# Altium PCB EEGV4.0.PcbDoc (part 1 of 2)
Units mm, origin at the board's own origin, x right, y up, seen from the top; angles counter-clockwise.
Board outline 93.3 x 85.3 mm, 2 copper layers (Top Layer, Bottom Layer); 194 components, 148 nets, 781 pads, 660 vias.
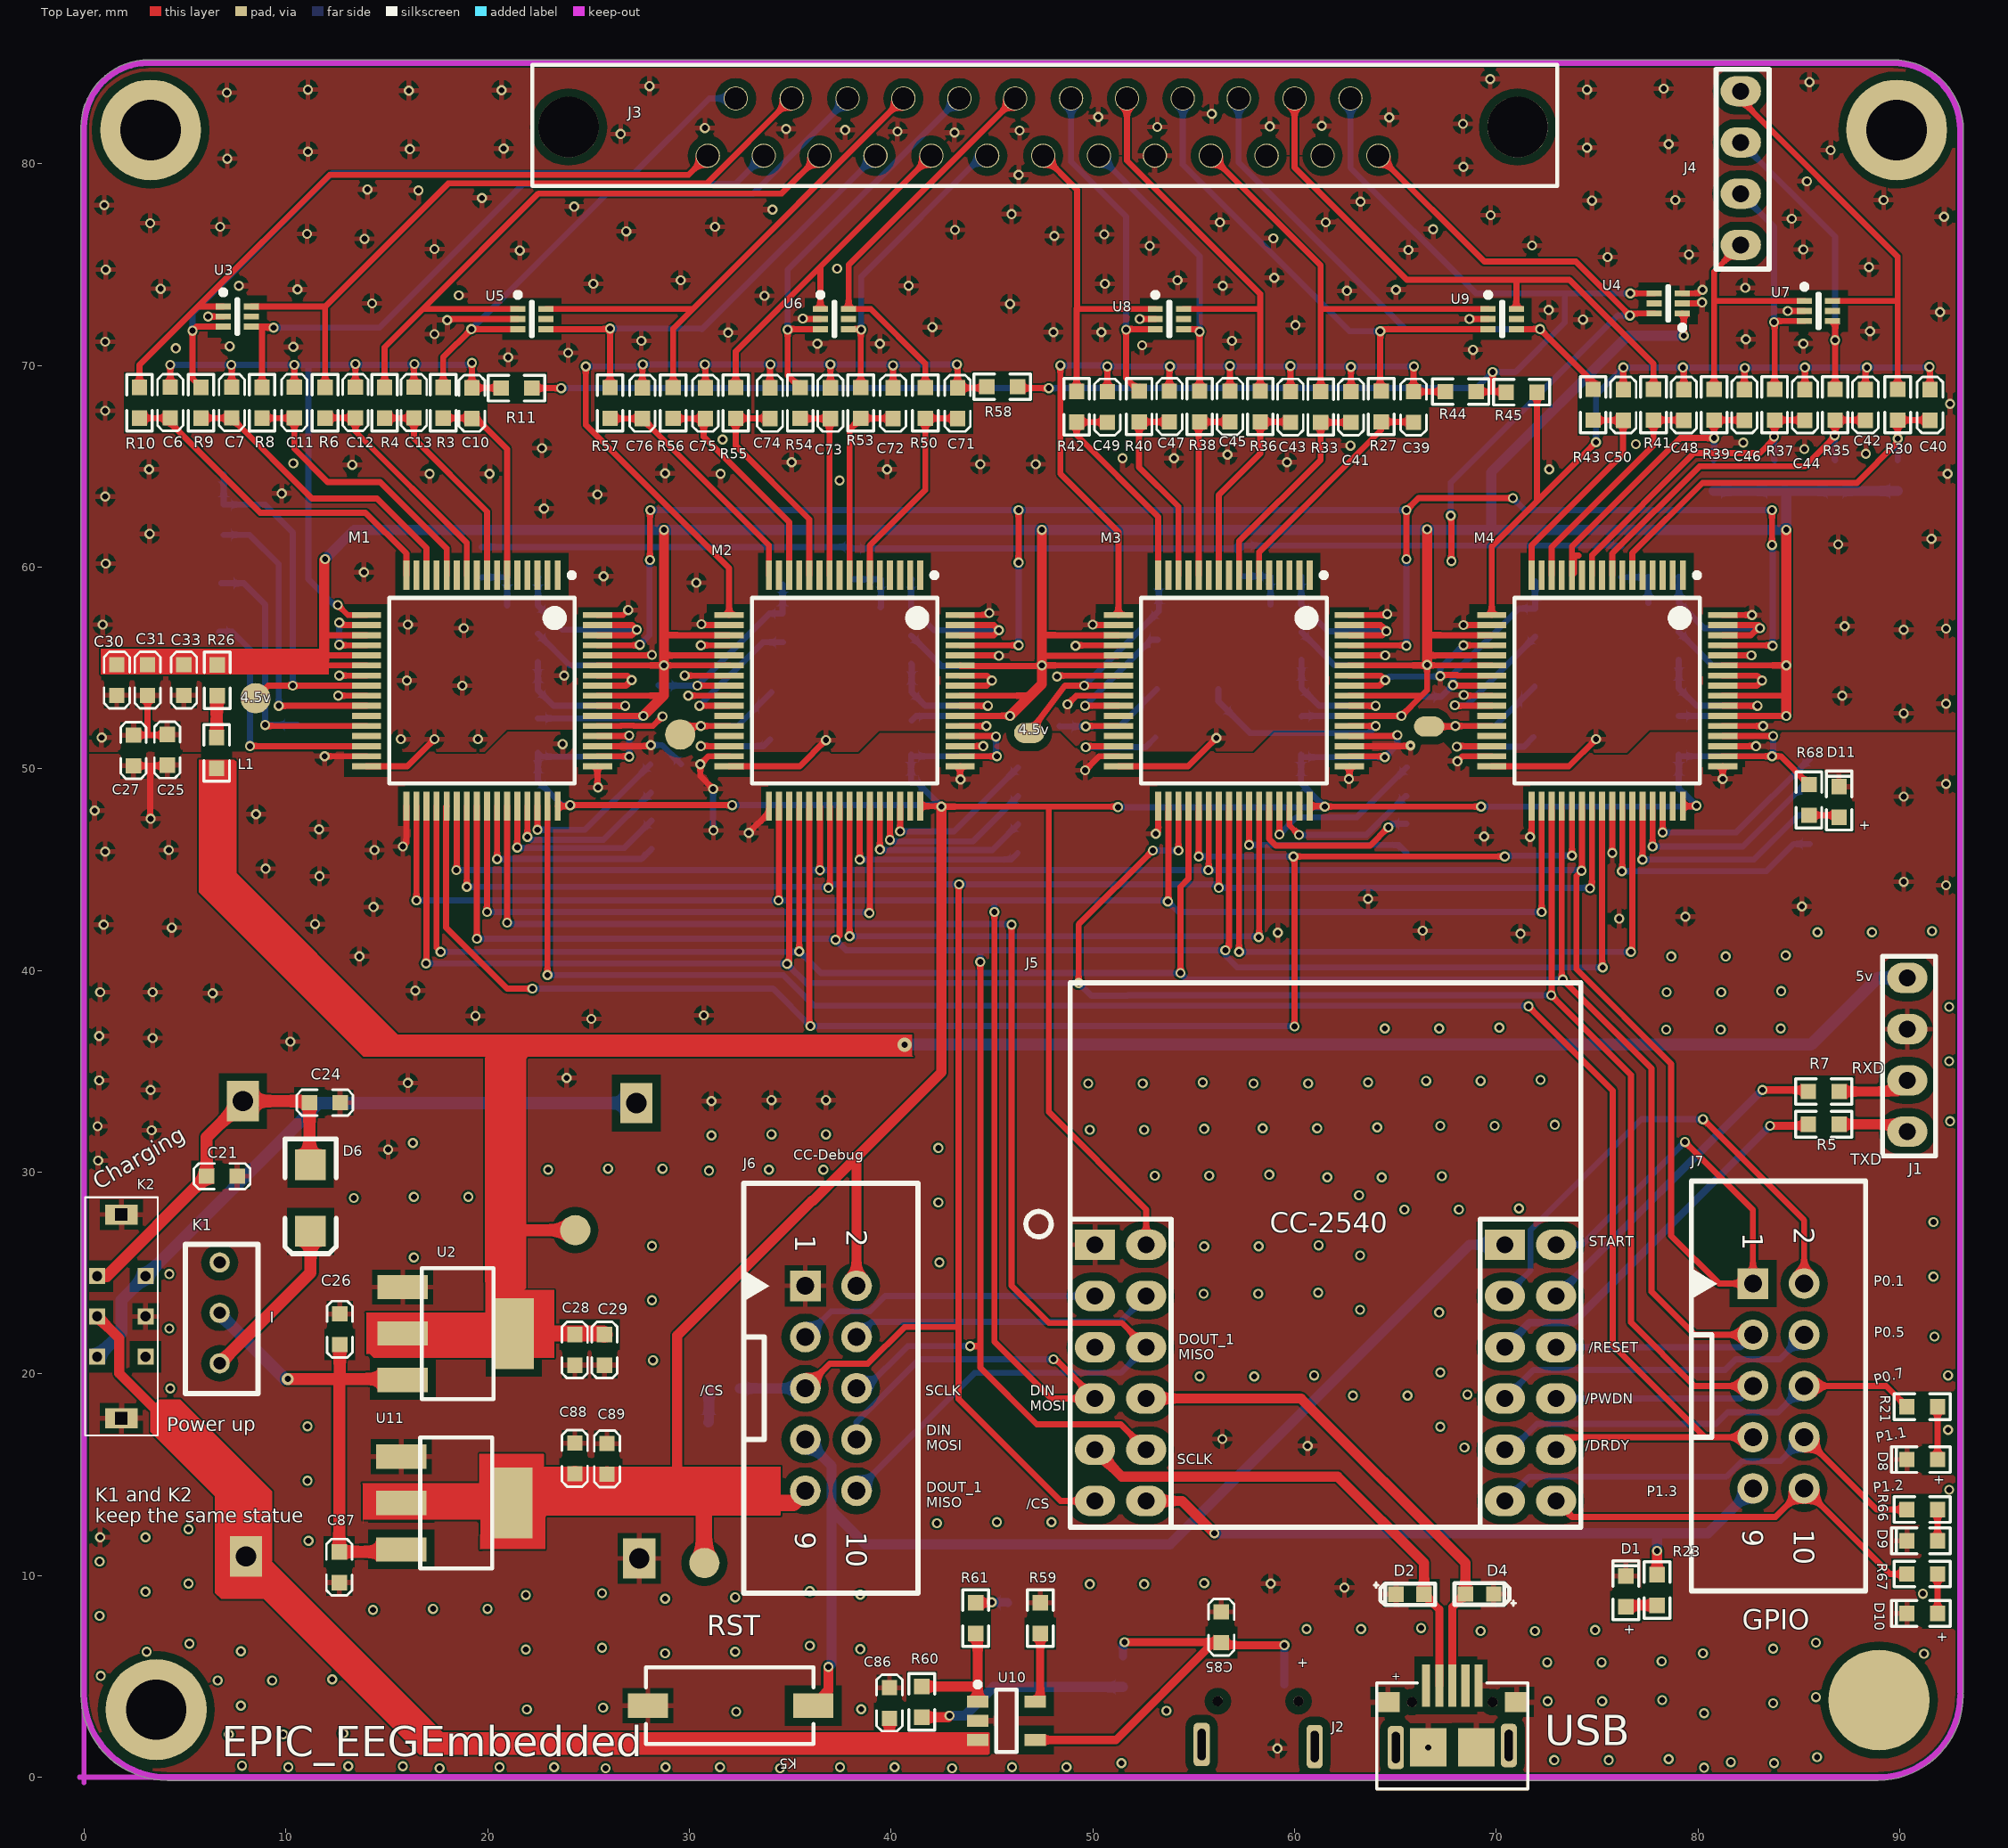
[diagram p0: Top Layer view]
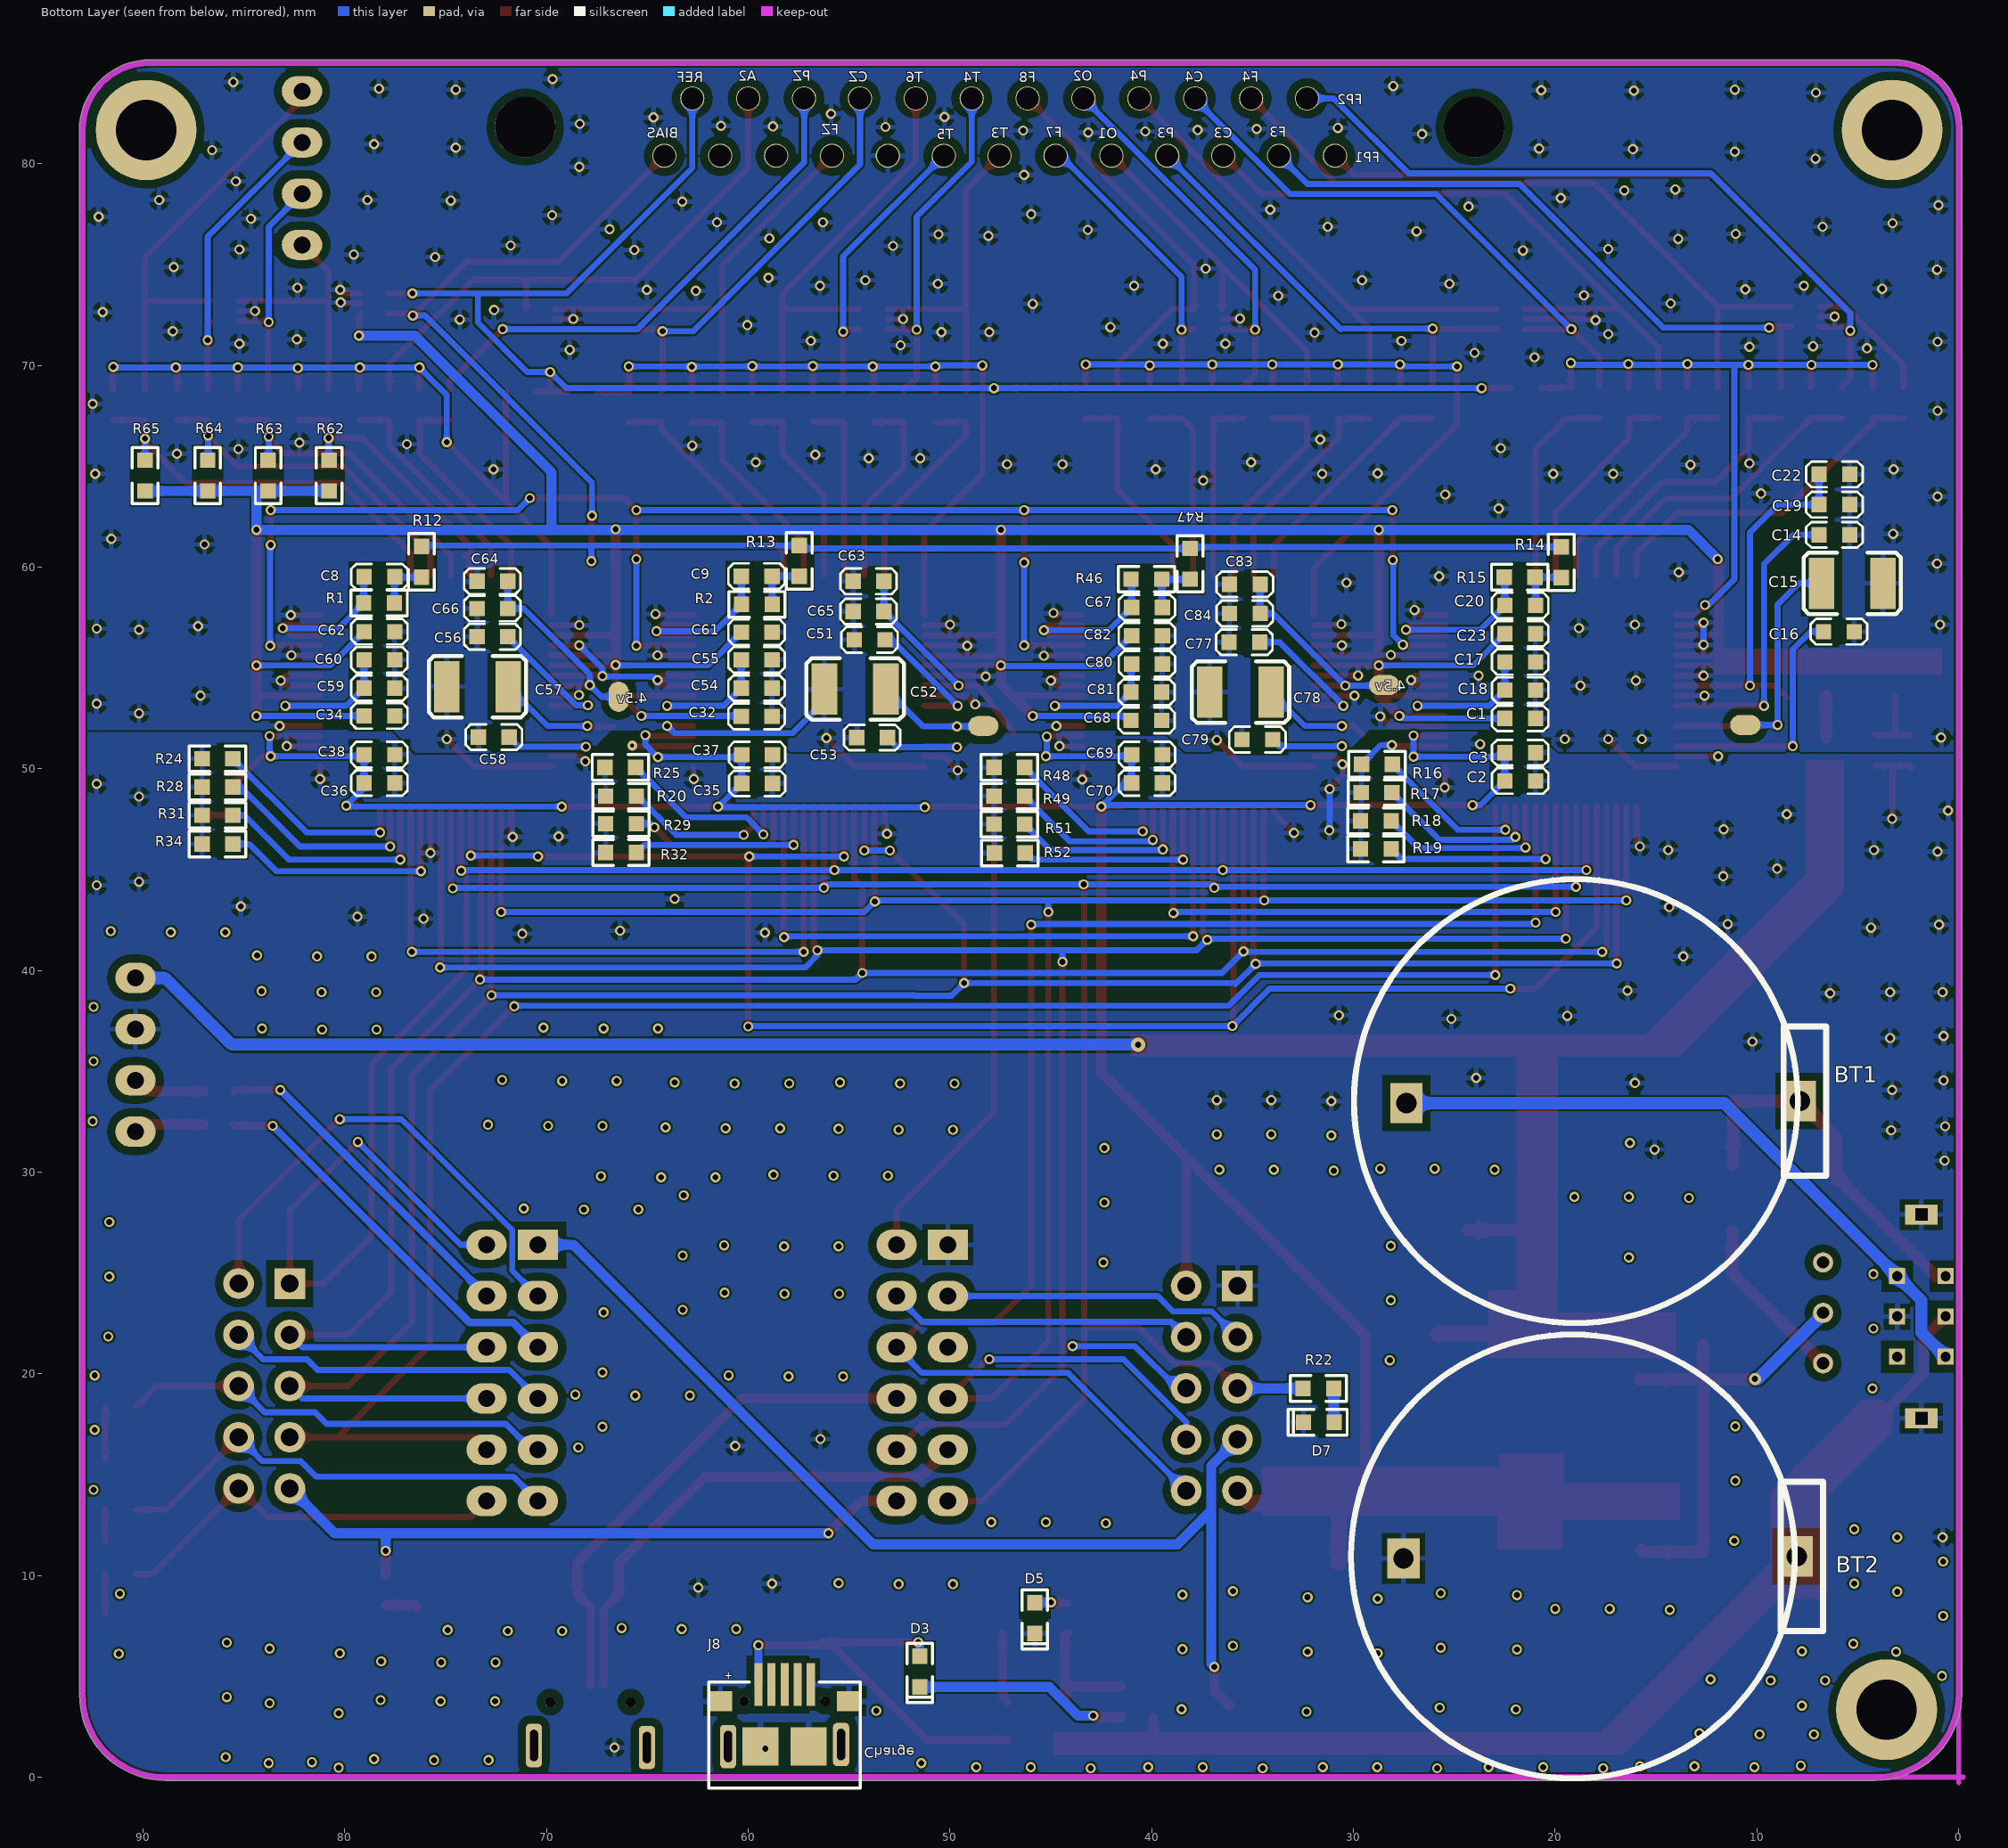
[diagram p1: Bottom Layer view, seen from below]
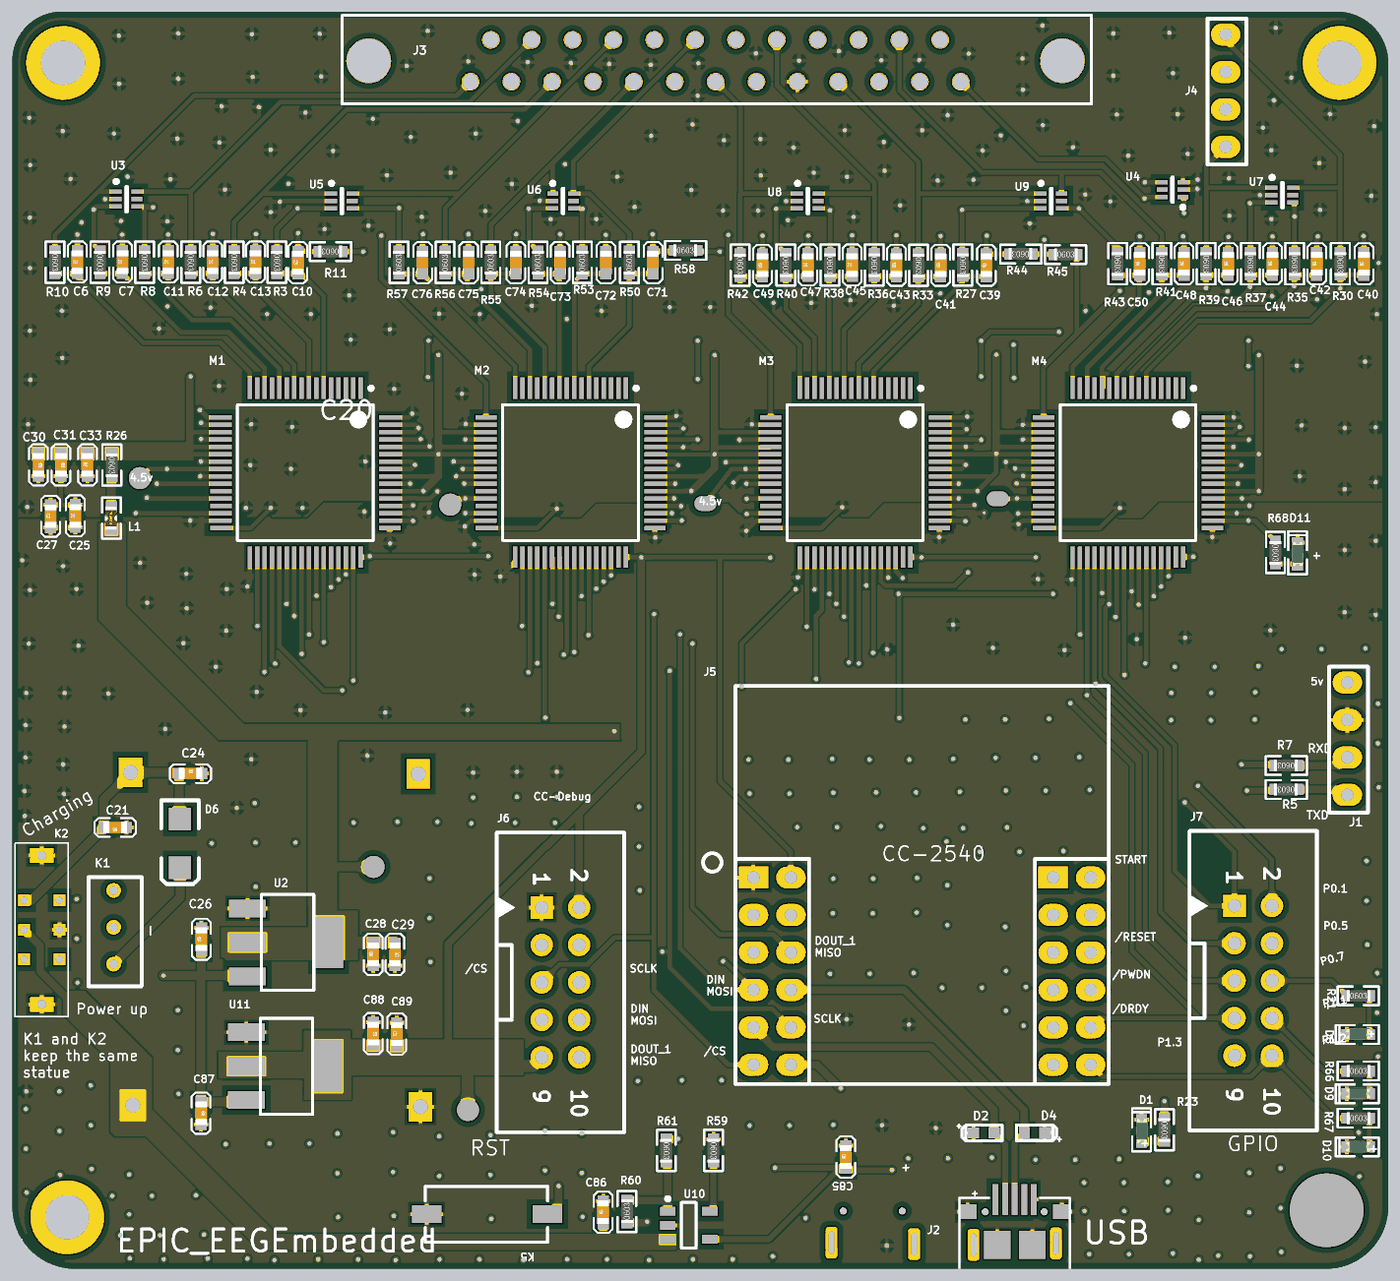
[diagram p3: 3D render of the assembled board from above, using the file's embedded part models]
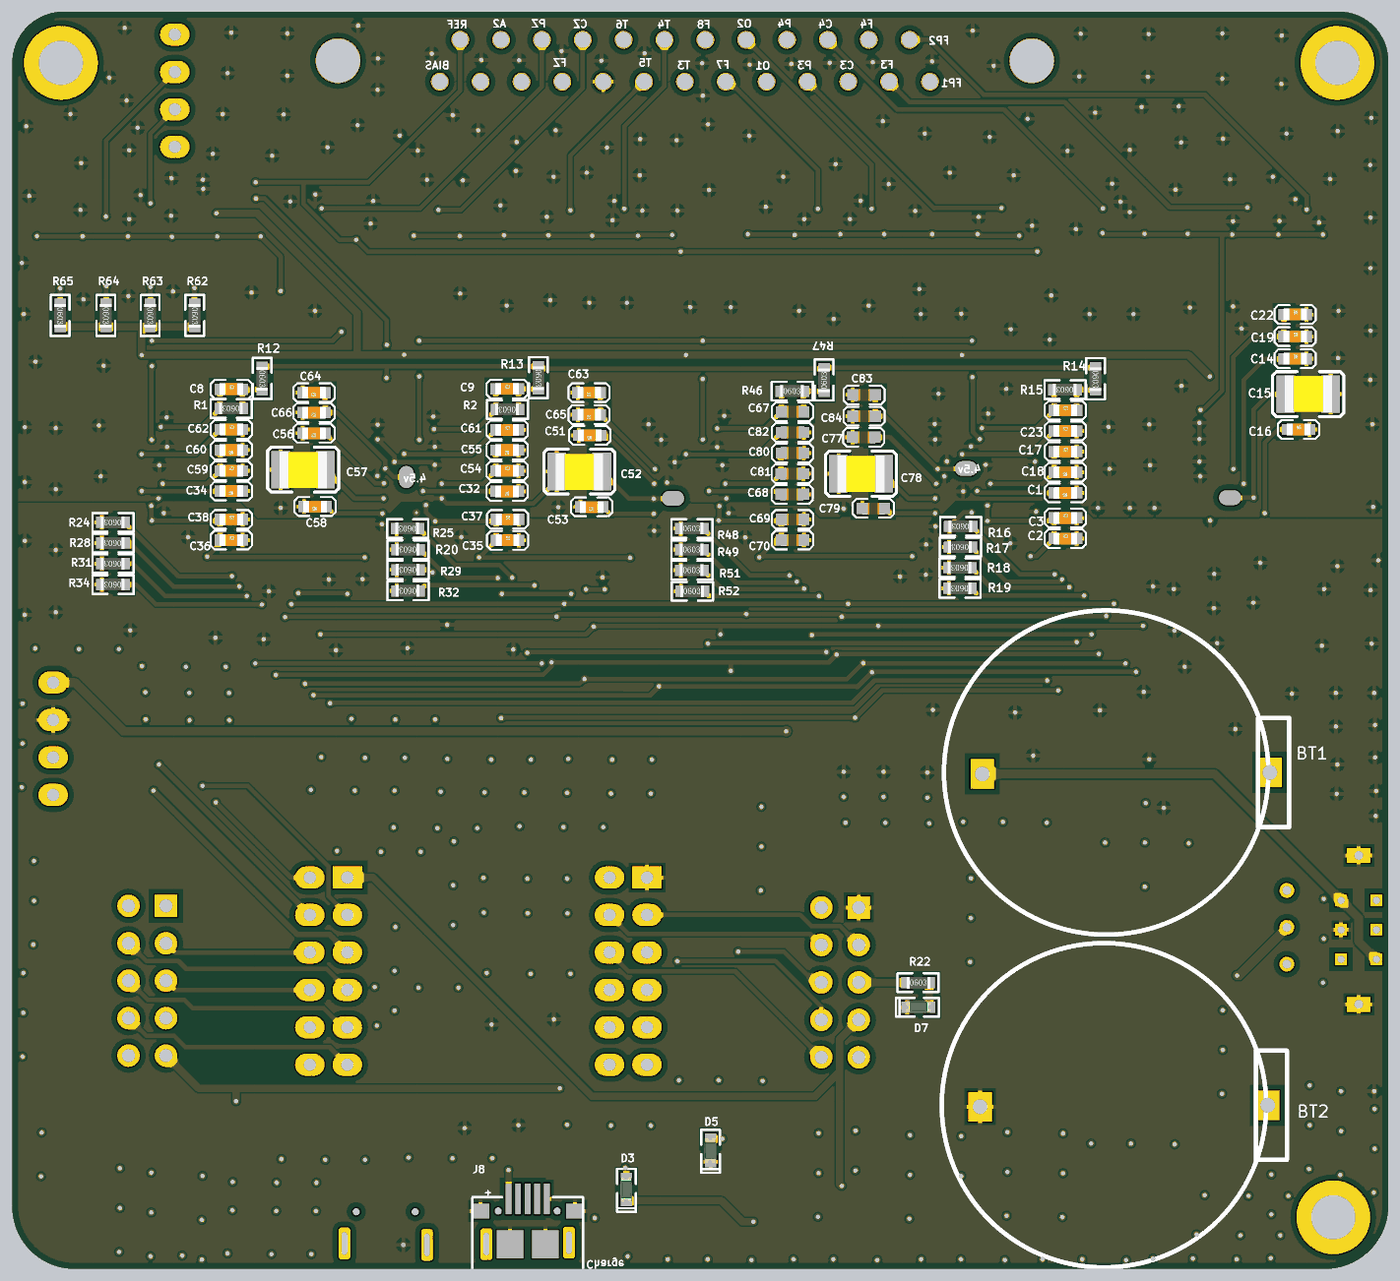
[diagram p4: 3D render of the assembled board from below, using the file's embedded part models]

## Layer stack, top to bottom
Top Solder: solder mask 0.0102, Solder Resist, Dk 3.5
Top Layer: signal copper 0.0356
Dielectric 1: dielectric 0.32, FR-4, Dk 4.8
Bottom Layer: signal copper 0.0356
Bottom Solder: solder mask 0.0102, Solder Resist, Dk 3.5

## Board outline
-0.15,4.125 -0.15,81.8 cw(c3.2,81.8) 3.199,85.15 cw(c3.2,85) 3.2,85.15 89.675,85.15 cw(c89.675,81.675) 93.15,81.675 93.15,4.225 cw(c93,4.225) 93.13,4.15 cw(c93,4.075) 93.15,4.075 cw(c88.925,4.075) 88.925,-0.15 4.125,-0.15 cw(c4.125,4.125)

## Design rules (kind name [scope] priority, off if disabled: settings)
Clearance [All] p1: gap=0.1 except(0.4: SMDPad-Poly THPad-Poly)
HoleSize [All] p1: absolutevalues=TRUE maxlimit=2.54 minlimit=0 maxpercent=80.000 minpercent=20.000
HoleToHoleClearance [All] p1: gap=0 allowstackedmicrovias=TRUE
MinimumSolderMaskSliver [All] p1: minsoldermaskwidth=0
PlaneConnect [ISVIA] p1: planeconnectstyle=Relief reliefexpansion=0.508 reliefentries=4 reliefconductorwidth=0.254 reliefairgap=0.254
PolygonConnect [All] p1: connectstyle=Relief reliefconductorwidth=0.254 reliefentries=4 polygonreliefangle="90 Angle" airgapwidth=0.254
RoutingVias [All] p1: holewidth=0.254 width=0.5 viastyle="Through Hole" minholewidth=0.254 minwidth=0.5 maxholewidth=0.3 maxwidth=0.8
SilkToSilkClearance [All] p1: silktosilkclearance=0
SilkToSolderMaskClearance [IsPad] p1: minsilkscreentomaskgap=0 clearancetoexposedcopper=TRUE
SolderMaskExpansion [All] p1: expansion=0.102
Width [All] p1: maxlimit=0.8 minlimit=0.254 preferedwidth=0.5
24 further rules are at their usual default settings.

## Components (designator, comment, footprint, x,y, rotation, side; value= is the part's Value field where it differs from the comment)
BT1 "Li-battery" LIR2032 7.875,33.525 r90 bottom
BT2 "Li-battery" LIR2032 8.025,10.95 r90 bottom
C1 "105K16V" C0603 20.976,52.5 r0 bottom
C2 "104K50V" C0603 22.5,49.4 r180 bottom
C3 "105K16V" C0603 22.5,50.8 r180 bottom
C6 "102K10V" C0603 4.275,67.401 r90 top
C7 "102K10V" C0603 7.325,67.401 r90 top
C8 "102K10V" C0603 79.049,59.525 r180 bottom
C9 "102K10V" C0603 60.349,59.55 r180 bottom
C10 "102K10V" C0603 19.225,67.363 r90 top
C11 "102K10V" C0603 10.425,67.401 r90 top
C12 "102K10V" C0603 13.45,67.401 r90 top
C13 "102K10V" C0603 16.35,67.401 r90 top
C14 "105K16V" C0603 6.924,61.6 r180 bottom
C15 "100Uf" C1210 6.8,59.2 r180 bottom
C16 "105K16V" C0603 6.7,56.8 r180 bottom
C17 "105K16V" C0603 22.5,55.3 r180 bottom
C18 "104K50V" C0603 20.976,53.9 r0 bottom
C19 "106K50V" C0603 6.924,63.1 r180 bottom
C20 "102K10V" C0603 22.5,58.1 r180 bottom
C21 "104K50V" C0603 7.6,29.8 r180 top
C22 "104K50V" C0603 6.924,64.6 r180 bottom
C23 "105K16V" C0603 22.5,56.7 r180 bottom
C24 "106K50V" C0603 11.175,33.45 r0 top
C25 "105K16V" C0603 4.125,50.176 r90 top
C26 "104K50V" C0603 12.675,21.45 r90 top
C27 "105K16V" C0603 2.45,50.15 r90 top
C28 "106K50V" C0603 24.325,20.425 r90 top
C29 "104K50V" C0603 25.8,21.949 r270 top
C30 "105K16V" C0603 1.625,55.163 r270 top
C31 "104K50V" C0603 3.15,55.163 r270 top
C32 "105K16V" C0603 58.825,52.6 r0 bottom
C33 "106K50V" C0603 4.95,53.639 r90 top
C34 "105K16V" C0603 77.525,52.625 r0 bottom
C35 "104K50V" C0603 60.325,49.275 r180 bottom
C36 "104K50V" C0603 79.049,49.3 r180 bottom
C37 "105K16V" C0603 60.325,50.7 r180 bottom
C38 "105K16V" C0603 79.049,50.7 r180 bottom
C39 "102K10V" C0603 65.9,67.176 r90 top
C40 "102K10V" C0603 91.5,67.276 r90 top
C41 "102K10V" C0603 62.8,67.176 r90 top
C42 "102K10V" C0603 88.3,67.276 r90 top
C43 "102K10V" C0603 59.8,67.176 r90 top
C44 "102K10V" C0603 85.3,67.276 r90 top
C45 "102K10V" C0603 56.8,67.2 r90 top
C46 "102K10V" C0603 82.3,67.276 r90 top
C47 "102K10V" C0603 53.8,67.2 r90 top
C48 "102K10V" C0603 79.3,67.276 r90 top
C49 "102K10V" C0603 50.725,67.176 r90 top
C50 "102K10V" C0603 76.3,67.276 r90 top
C51 "105K16V" C0603 53.226,56.4 r0 bottom
C52 "100Uf" C1210 53.175,53.95 r0 bottom
C53 "105K16V" C0603 53.101,51.55 r0 bottom
C54 "105K16V" C0603 60.349,54 r180 bottom
C55 "104K50V" C0603 58.825,55.4 r0 bottom
C56 "105K16V" C0603 71.926,56.55 r0 bottom
C57 "100Uf" C1210 71.902,54.075 r0 bottom
C58 "105K16V" C0603 71.851,51.575 r0 bottom
C59 "105K16V" C0603 79.049,54 r180 bottom
C60 "104K50V" C0603 77.525,55.4 r0 bottom
C61 "105K16V" C0603 60.349,56.775 r180 bottom
C62 "105K16V" C0603 79.049,56.8 r180 bottom
C63 "106K50V" C0603 53.276,59.3 r0 bottom
C64 "106K50V" C0603 71.926,59.3 r0 bottom
C65 "104K50V" C0603 53.276,57.8 r0 bottom
C66 "104K50V" C0603 71.926,57.95 r0 bottom
C67 "102K10V" C0603 41,58 r180 bottom
C68 "105K16V" C0603 39.5,52.4 r0 bottom
C69 "104K50V" C0603 41,50.7 r180 bottom
C70 "105K16V" C0603 41,49.3 r180 bottom
C71 "102K10V" C0603 43.3,67.363 r90 top
C72 "102K10V" C0603 40.1,67.363 r90 top
C73 "102K10V" C0603 37,67.363 r90 top
C74 "102K10V" C0603 34,67.363 r90 top
C75 "102K10V" C0603 30.8,67.363 r90 top
C76 "102K10V" C0603 27.675,67.363 r90 top
C77 "105K16V" C0603 34.65,56.275 r0 bottom
C78 "100Uf" C1210 34.077,53.8 r0 bottom
C79 "105K16V" C0603 34,51.45 r0 bottom
C80 "105K16V" C0603 41,55.2 r180 bottom
C81 "104K50V" C0603 39.5,53.8 r0 bottom
C82 "105K16V" C0603 41,56.6 r180 bottom
C83 "106K50V" C0603 34.625,59.15 r0 bottom
C84 "104K50V" C0603 34.626,57.7 r0 bottom
C85 "475K16V" C0603 56.375,6.676 r90 top
C86 "106K50V" C0603 39.925,2.926 r90 top
C87 "104K50V" C0603 12.65,11.175 r270 top
C88 "106K50V" C0603 24.325,16.574 r270 top
C89 "104K50V" C0603 25.925,15.025 r90 top
D1 "LED0603G" D-LED0603G 76.425,8.451 r90 top
D2 "ESDA_TR1/0603" HS_0603D 65.725,9.075 r0 top
D3 "LED0603G" D-LED0603G 51.5,5.999 r270 bottom
D4 "ESDA_TR1/0603" HS_0603D 69.175,9.088 r180 top
D5 "LED0603G" D-LED0603G 45.8,8.649 r270 bottom
D6 "500mA/13.2V" D1206 11.225,30.375 r270 top
D7 "LED0603G" D-LED0603G 30.951,17.6 r0 bottom
D8 "LED0603G" D-LED0603G 91.875,15.75 r180 top
D9 "LED0603G" D-LED0603G 91.875,11.725 r180 top
D10 "LED0603G" D-LED0603G 91.875,8.125 r180 top
D11 "LED0603G" D-LED0603G 87,47.601 r90 top
J1 "J-D2.45-1*4" D2.54-1*4P 90.375,32.01 r90 top
J2 "USB-MINI-SOCKET" "MICRO-USB - 5.9" 66.525,4.55 r0 top
J3 "C-DSUB-25" C-DSUB-25 24.02,81.82 r0 top
J4 "J-D2.54" D2.54-1*4P 82.125,75.98 r90 top
J5 "CC2540" PCBComponent_1 48.88,12.4 r0 top
J6 "DC3-2.54-2X5P" DC3-2.54-2X5P 35.75,24.365 r270 top
J7 "DC3-2.54-2X5P" DC3-2.54-2X5P 82.725,24.48 r270 top
J8 "USB-MINI-SOCKET" "MICRO-USB - 5.9" 59.5,4.6 r180 bottom
K1 "SS-12D00" SS-12D00 6.725,25.525 r270 top
K2 "SK-22D02" SK-22D02 0.65,22.85 r270 top
K5 "3*6*5" S-K3*6 36.15,3.55 r270 top
L1 "L-0603-3.3uH" L0603 6.575,50.026 r90 top
M1 "ADS1299" ADS1299-TSQFP50P1200X1200X105-64N 19.725,53.875 r270 top
M2 "ADS1299" ADS1299-TSQFP50P1200X1200X105-64N 37.7,53.875 r270 top
M3 "ADS1299" ADS1299-TSQFP50P1200X1200X105-64N 57,53.875 r270 top
M4 "ADS1299" ADS1299-TSQFP50P1200X1200X105-64N 75.5,53.875 r270 top
R1 "1MF" R0603 77.538,58.225 r0 bottom
R2 "1MF" R0603 58.812,58.15 r0 bottom
R3 "2.2KF" R0603 17.8,68.912 r270 top
R4 "2.2KF" R0603 14.9,68.912 r270 top
R5 "22RF" R0603 87,32.375 r180 top
R6 "2.2KF" R0603 11.95,68.912 r270 top
R7 "22RF" R0603 86.999,34 r180 top
R8 "2.2KF" R0603 8.825,68.912 r270 top
R9 "2.2KF" R0603 5.8,68.912 r270 top
R10 "2.2KF" R0603 2.75,68.912 r270 top
R11 "2.2KF" R0603 22.199,68.875 r180 top
R12 "2.2KF" R0603 76.2,61.025 r270 bottom
R13 "2.2KF" R0603 57.475,61.075 r270 bottom
R14 "2.2KF" R0603 19.7,61 r270 bottom
R15 "1MF" R0603 21,59.5 r0 bottom
R16 "10KF" R0603 28.075,50.225 r0 bottom